# Altium PCB SmartHaloV1.PcbDoc (part 2 of 4) (continued)
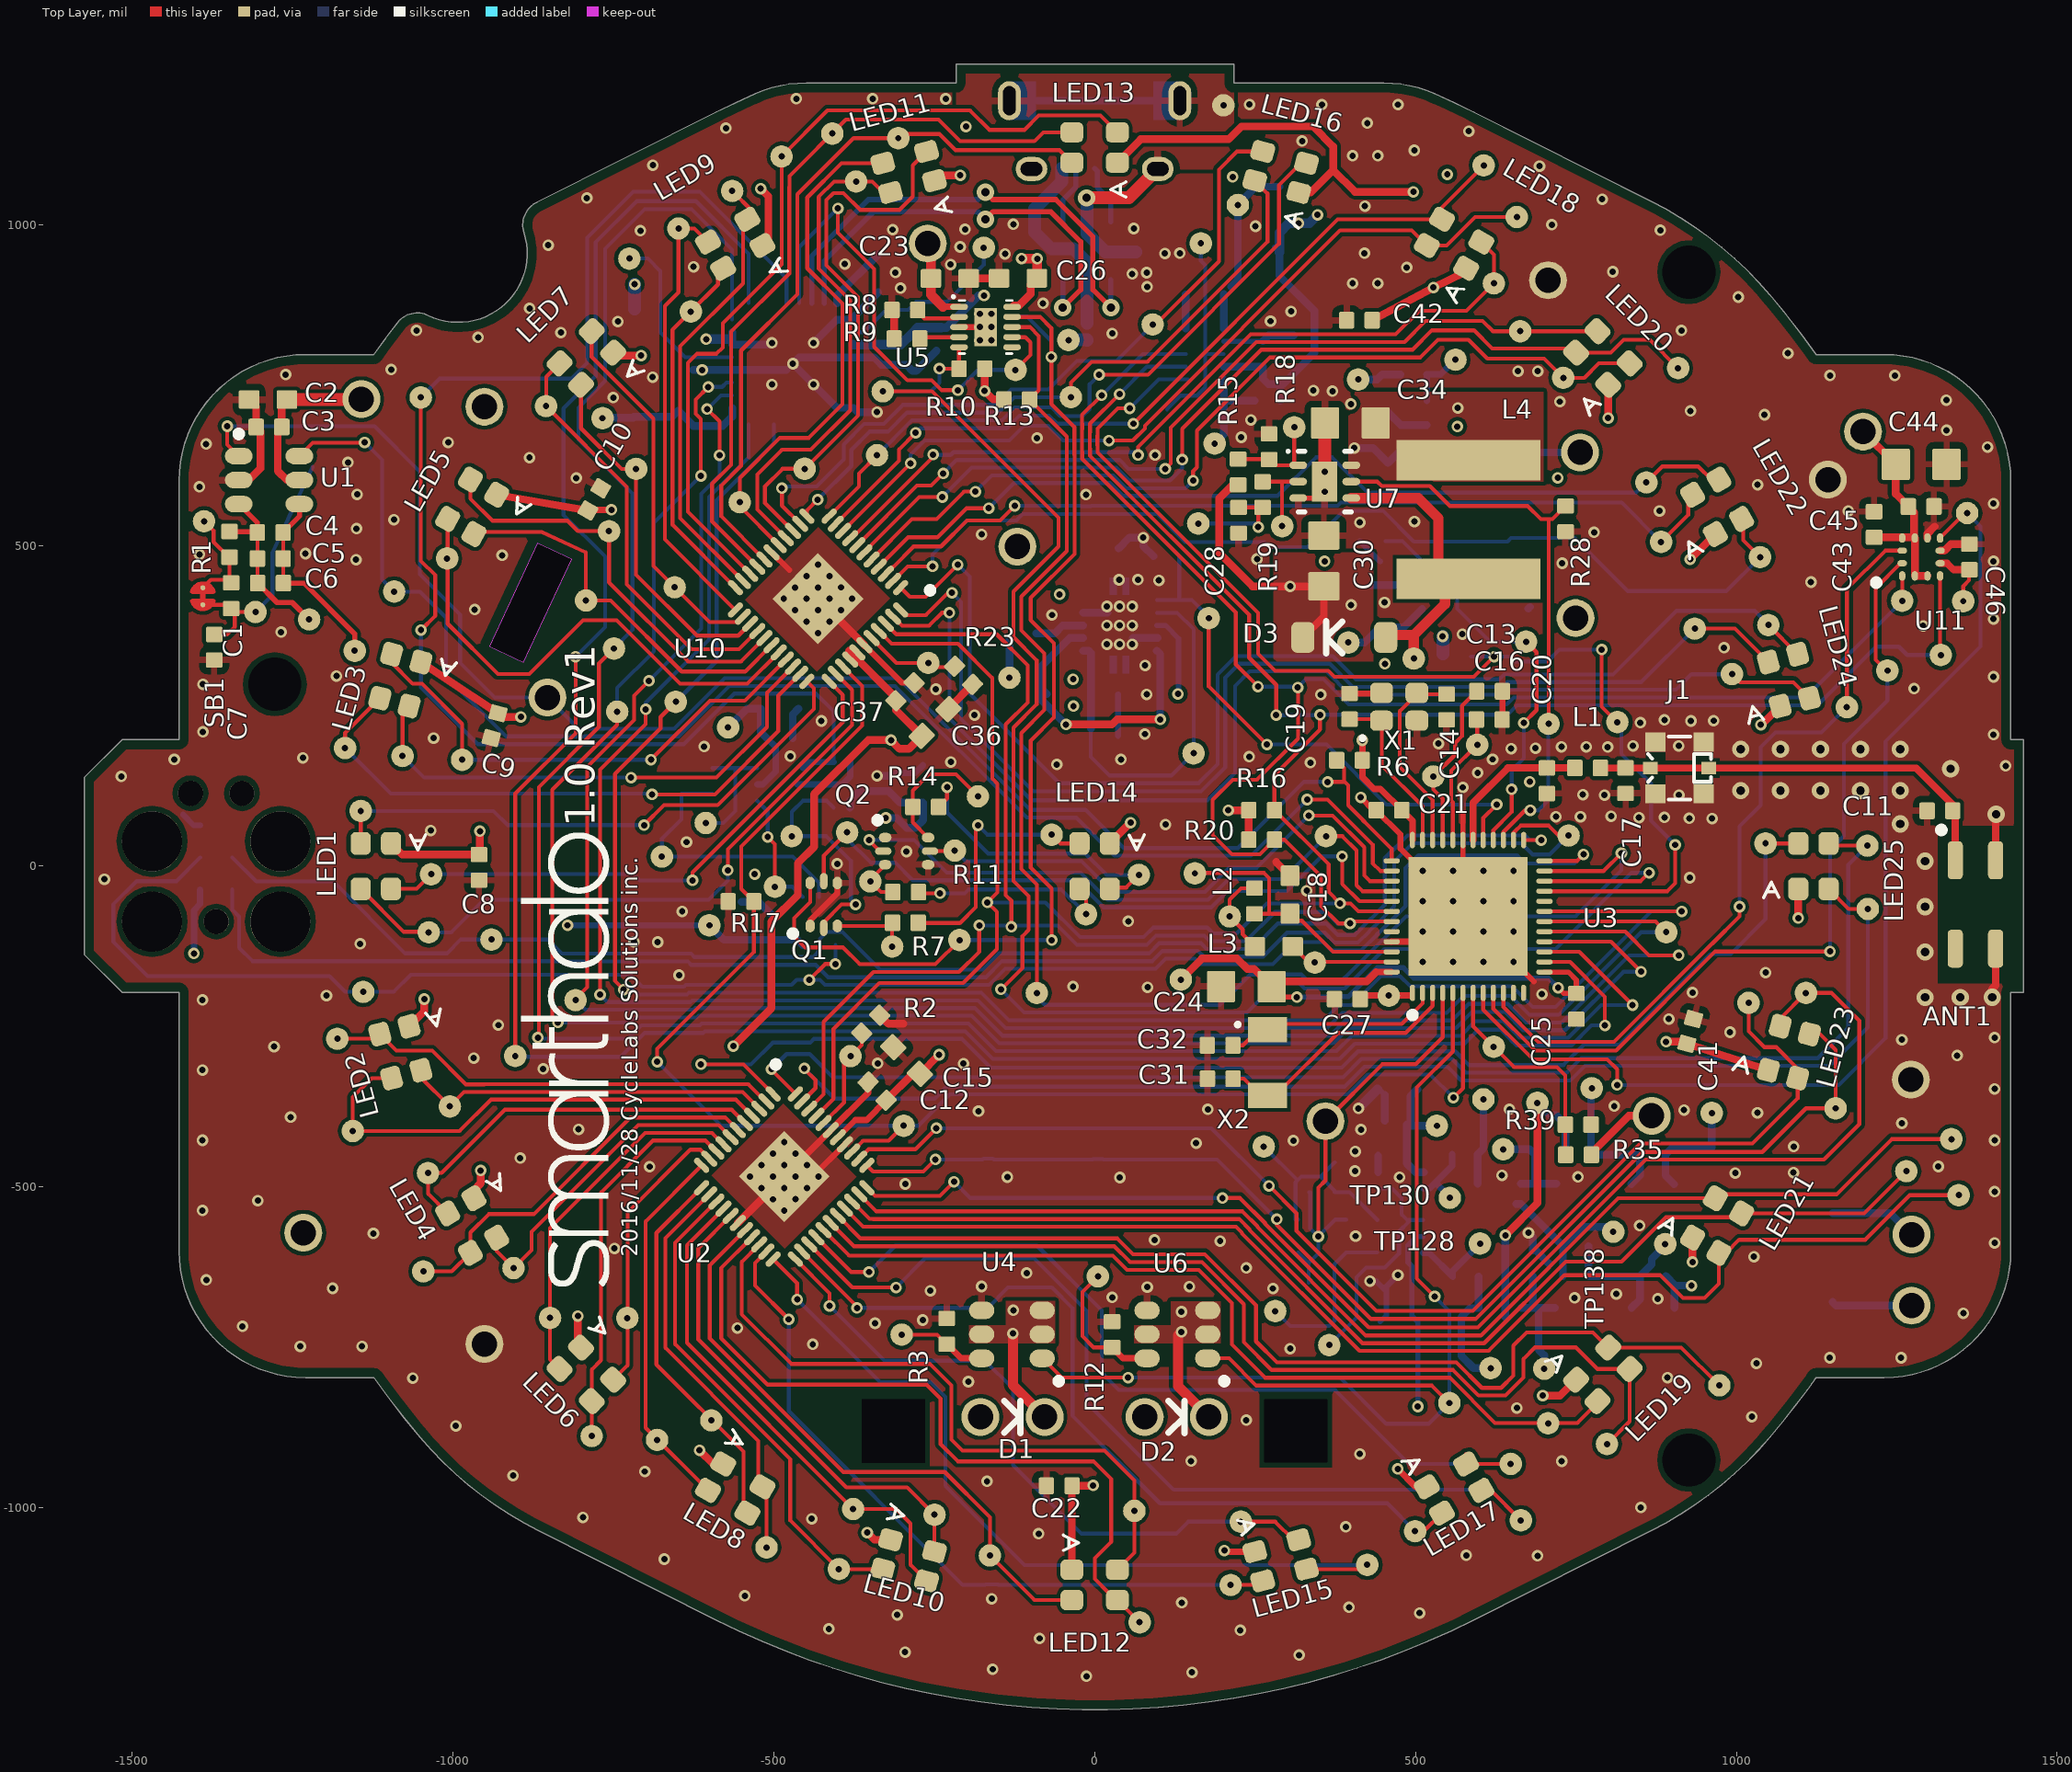
[diagram p0: Top Layer view]
## Nets (pads, with @x,y where several pads share a name; then routed paths per layer and width w, separated by ;. In a path a pad name is that pad's centre, name@x,y a point inside that pad or via, vN(x,y) a via of type N, cw(c..) or ccw(c..) an arc to the next point about the centre after c; other vN are vias at no path point) (continued)
EN_VLED: R31.2 TP160.1 U3.29 U15.6 | length 856.8
  Top Layer w6: TP160.1@177.8,386.5 177.8,280.2 v1(268.4,189.6) ; U3.29@605.52,40.69 605.52,75.02 v1(626.6,96.1)
  Bottom Layer w6: U15.6@96.97,414.57 151.73,414.57 TP160.1@178.8,387.5 ; 131.8,414.57 R31.2@131.8,482.8 ; v1(268.4,189.6) 361.3,189.6 454.8,96.1 v1(626.6,96.1)
FRONTLED: TP96.1 U3.5 U4.1 U6.1 | length 1779
  Top Layer w6: U4.1@-81.55,-766.9 -51.35,-797.1 v1(52.2,-797.1) ; U6.1@176.18,-767.05 209.45,-767.05 252,-809.6 525.7,-809.6 TP96.1@552.8,-836.7 ; v1(529.9,-670.6) 501.9,-642.6 501.9,-344.9 558.28,-288.52 U3.5@558.28,-197.49
  Bottom Layer w6: v1(52.2,-797.1) 382.4,-797.1 454.2,-868.9 520.6,-868.9 TP96.1@552.8,-836.7 552.8,-693.5 v1(529.9,-670.6)
GND: ANT1.3 ANT1.4 C2.2 C3.2 C7.2 C8.2 C9.2 C10.2 C11.1 C12.2 C13.2 C14.2 C15.2 C16.2 C17.1 C18.2 C19.2 C20.1 C21.2 C22.2 C23.2 C24.2 C25.2 C26.2 C27.2 C28.2 C29.2 C30.2 C31.1 C32.1 C33.2 C34.2 C35.2 C36.2 C37.2 C38.2 C39.2 C40.2 C41.2 C42.2 C43.2 C44.2 C45.2 C46.2 C47.2 C48.2 C49.2 C50.2 C51.2 C52.2 C53.2 C54.2 C55.2 C56.2 C57.2 C58.2 C59.2 C60.2 C61.2 C64.1 C65.2 C66.2 C67.2 C68.2 C69.2 C70.2 C71.2 J1.2 J4.0 J6.0 J7.5 NT6.2 Q1.1 Q1.4 Q2.1 Q2.4 Q7.4 Q8.4 R2.2 R3.1 R8.2 R9.2 R12.1 R17.1 R18.1 R23.2 R28.2 R29.1 R31.1 R33.1 R34.1 R37.2 R39.1 R42.2 R43.1 RSENSE1.1 RT1.1 TP2.1 TP5.1 TP6.1 TP9.1 U1.2 U2.17 U2.37 U2.39 U2.45 U3.31 U3.45 U3.49 U4.4 U5.3 U5.11 U6.4 U7.3 U7.7 U8.2 U8.3 U9.2 U10.17 U10.39 U10.45 U11.6 U11.8 U12.2 U13.2 U14.5 U14.7 U15.4 U15.9 U15.11 U16.4 U16.6 U16.7 U16.17 U16.20 U16.24 U16.33 U18.2 U19.2 U20.3 X1.2 X1.4 | length 4038.9
  Top Layer w8: C15.2@-324.81,-282.08 C15.2@-313.94,-282.08 ; v1(-178.86,840.2) U5.11@-170,840.2 ; U7.3@317.26,573.71 U7.7@341.2,573.71 ; U3.49@574.03,-70.53 U3.31@574.03,40.69 574.03,79.97
  Top Layer w9: U10.17@-503.48,489.08 -476,461.6 ; Q1.1@-443.28,-93.16 -443.28,-84.28 -400.92,-41.92 Q1.4@-400.92,-26.24 ; U2.45@-439.16,-483.7 U2.37@-389.05,-433.59 ; U10.39@-358.72,344.32 -300.25,285.85 C37.2@-281.45,285.85 ; U5.3@-211.34,840.2 v1(-178.86,840.2) ; C19.2@397.1,269.1 X1.4@445.99,269.1 ; v1(414.6,107.1) 434.5,87.2 C21.2@438.8,87.2 476.31,49.69 476.31,27.19 v1(511.03,-7.53) ; C16.2@635.4,228.9 C13.2@635.4,272.6 ; v1(652.77,-149.27) 653.97,-149.27 684.42,-179.72
  Top Layer w10: U2.45@-483.7,-483.7 U2.39@-411.32,-411.32 -353.1,-353.1 C12.2@-353.1,-336.55 C12.2@-353.1,-334.1 ; U3.45@462.81,-117.77 U3.49@542.53,-117.77
  Top Layer w12: U1.2@-1333.78,601.75 -1318.19,601.75 -1300.12,619.82 -1300.12,677.92 C3.2@-1306.7,684.5 -1306.7,716.2 C2.2@-1317.7,727.2 ; U2.17@-556.08,-556.08 U2.45@-483.7,-483.7 ; U10.45@-431.1,416.7 U10.39@-358.72,344.32 ; R2.2@-334.86,-232.1 -321.25,-245.7 -298.3,-245.7 ; R9.2@-312.4,822.1 R8.2@-312.4,863.4 ; C36.2@-227.66,245.68 R23.2@-190.01,283.32 ; C23.2@-203.9,923.6 C23.2@-196.2,915.9 -149.2,915.9 C26.2@-148.9,916.2 ; U5.11@-170,840.2 U5.11@-164.3,845.9 ; C28.2@224.3,519.2 C28.2@228.3,515.2 ; 282.92,6.48 C18.2@304.4,-15 ; U11.8@1297.83,511.43 1297.83,518.33 1309,529.5 ; U11.6@1317.51,491.74 1324.22,491.74 1334.47,502 C46.2@1363.1,502 ; v2(1398.7,-204.5) 1398.7,-191.4 1404.1,-186 ANT1.3@1404.1,-128.6 ; ANT1.4@1404.1,9.2 v2@1404.1,80.18
  Top Layer w20: U7.7@358.6,599.3 C34.2@358.6,690.3
  Bottom Layer w8: U14.7@201.1,817.82 C51.2@261.71,817.82 ; C29.2@440.9,-348 C29.2@443.8,-348 C29.2@452.01,-356.22 ; C40.2@444.8,-710 454.65,-700.15 C38.2@454.65,-662.75
  Bottom Layer w9: -1420.6,80.4 -1403.8,63.6 J7.5@-1393.9,63.6 ; C55.2@36.7,203.1 C53.2@36.7,267.9 ; R29.1@413.2,506.5 444.8,474.9 ; v1(429.1,-646.6) 438.5,-646.6 C38.2@454.65,-662.75 454.65,-655.15 v1(472.6,-637.2)
  Bottom Layer w10: U19.2@-463.6,127.4 U19.2@-454.9,127.4 -393.2,127.4 -381.13,139.47 U18.2@-381.13,162.2 ; C65.2@-313.83,140.8 C65.2@-309.53,145.1 -280.03,145.1 C66.2@-267.33,157.8
  Bottom Layer w12: -625.74,773.26 U16.4@-564.89,773.26 U16.33@-480.24,773.26 ; U16.7@-564.89,832.31 U16.6@-564.89,812.63 U16.33@-499.93,812.63 ; C70.2@-550.17,-55.8 -523.2,-55.8 C69.2@-505.4,-73.6 ; C67.2@-470.4,199.1 -470.4,236.6 C68.2@-461.5,245.5 ; v1(-437.92,815.58) -401.69,851.81 -375.91,851.81 U16.17@-375.91,852 -375.91,855.49 C57.2@-337.1,894.3 ; v1(-339,140.8) C65.2@-313.83,140.8 ; v1(-339,707.6) -369.31,707.6 U16.24@-375.91,714.2 -375.91,714.39 -401.69,714.39 v1(-437.92,750.62) v1(-470.4,783.1) -460.56,792.94 U16.20@-375.91,792.94 -343.84,792.94 C58.2@-332.3,781.4 -293.4,781.4 C56.2@-284,772 -277.8,772 -246.3,803.5 ; U15.4@-18.17,394.89 U15.11@20.22,394.89 ; C54.2@37.4,495.2 54.2,512 v1(75.8,512) 75.8,498.8 R31.1@91.8,482.8 ; U15.11@59.59,355.52 U15.9@97.97,355.52 ; U14.5@142.04,837.5 RSENSE1.1@142.04,891.36 ; C51.2@262.4,818.5 270.9,827 C50.2@310.4,827 ; C48.2@430.6,437.3 431.62,438.32 U12.2@510.56,438.32 ; U8.2@441.81,-476.87 U8.3@441.81,-451.37 ; C33.2@452.01,-396.81 C29.2@452.01,-356.22 ; C52.2@457.18,707.34 476.9,687.62 U13.2@517.65,687.62 ; v1(676.04,-571.4) 682.8,-578.16 R42.2@682.8,-599.1 ; R42.2@685.5,-596.6 708.6,-619.7
  Bottom Layer w15: v1(-605.4,821.4) -566.49,821.4 ; v1(411.2,-377.7) C29.2@440.9,-348
  other v1: -12.7,-1262.6 151.8,-1256.5 -158.9,-1251.6 318.7,-1229.7 -295.3,-1224.8 -85.7,-1203.6 226.9,-1190.9 -414.2,-1188.7 -307.7,-1166.9 506.3,-1163.9 396.3,-1155 135.8,-1147.9 -160.4,-1141.9 -545.1,-1137.1 -670.5,-1080 690.2,-1074.9 579.2,-1074 -87.2,-1040.5 391.5,-1029.6 -440.9,-1017.1 -797.4,-1014.9 851,-999.4 -167.7,-958.8 -906.2,-949.9 -701,-943.5 150.3,-927.3 727.8,-927.4 413.2,-916.1 -995.6,-872.4 236.4,-863.3 1024,-858.1 658,-844.4 -196.7,-803.4 -1062.4,-798 892.8,-797 1031.4,-774.8 1145.6,-766.1 1256.7,-766.1 304.6,-752.1 -1237.9,-748.4 -1141.7,-748.4 -439.3,-745.3 -556.7,-719.8 -1328,-717.2 -342.2,-712.4 -268,-707.4 1353.7,-696.7 877.6,-674.1 747.8,-672.7 27.5,-672.1 812.9,-666.8 -255.9,-661.7 -1187.5,-657.9 277.8,-658.3 82,-656.1 -176.1,-655.1 147.8,-655.3 -1384.3,-644.7 -105.9,-634 236.2,-626.1 1027.3,-608.7 -748.2,-595.9 1402.6,-587.2 195.6,-584.4 93.2,-582.5 406.6,-576.6 -1124,-572.6 849.4,-560.2 -1390.5,-536.65 -483.7,-537.04 -1303.9,-521.4 -501.48,-519.26 -465.91,-519.25 1402.6,-507.2 -448.15,-501.49 -519.26,-501.48 -483.7,-501.46 -295.1,-495.3 -136.1,-484.5 39.2,-485.2 475.2,-484.7 -537.04,-483.7 -501.46,-483.7 -465.94,-483.7 -430.36,-483.7 753.4,-484.4 634.8,-481.9 998.4,-478.4 1088.9,-477.6 405.7,-475.2 -693.6,-468.4 1314.8,-468 -519.25,-465.91 -483.7,-465.94 -448.15,-465.91 -895.3,-454.9 -501.49,-448.15 -465.91,-448.15 406.2,-444.5 1089.2,-437.1 158.1,-431.7 -483.7,-430.36 309.6,-427.8 -1390.5,-427.2 1402.6,-427.2 414.9,-410.6 -804.3,-410.1 1257.9,-400.63 -1253,-391.1 1032.9,-384.3 -181,-381.9 918.6,-380 176.5,-379 646.6,-378.9 809.7,-374.1 1402.6,-347.2 -1390.5,-317.75 -859.4,-315.8 -204.3,-307.7 -338.1,-307.3 -967.6,-299.1 1344.2,-295 -1278.8,-281.2 1257.9,-270.4 1402.6,-267.2 990.1,-258.8 -929.4,-247.7 894.8,-238.3 -1390.5,-208.3 -1197.1,-201.8 697.1,-199.4 931.7,-196.9 82.6,-188.9 -33.7,-187.6 -647.5,-169.9 1045.6,-165.8 511.03,-149.27 558.28,-149.27 605.52,-149.27 -1144.6,-121 -717.8,-117.9 -680.9,-118.3 511.03,-102.02 558.28,-102.02 605.52,-102.02 652.77,-102.02 52.5,-86 -642.8,-70.5 511.03,-54.78 558.28,-54.78 605.52,-54.78 652.77,-54.78 330.5,-38.2 -1543.2,-20.4 927.4,-18 -529.7,-12.5 558.28,-7.53 605.52,-7.53 652.77,-7.53 -401,3.7 -293.3,22.8 -636,37.5 -1034.5,55.7 110.4,64.8 962.2,74.1 926.72,74.6 848.22,75.8 888.1,75.9 719,77.1 757.02,77 805,77.9 760.7,111.5 794.6,110.8 910.7,110.8 573.9,122.8 678.1,131.6 -1517,139.7 596.9,145.6 1419.6,156.2 -58.8,158.5 336.2,161.2 -224,162.5 -1434.3,166.4 40.9,166.3 620.2,166.5 -1233.8,168.7 -474.3,171.2 240.8,170.6 648.9,183.1 687,183.8 -608.6,186.3 727.5,185.9 766.1,186 799.6,185.6 838.8,187.4 910.2,187.4 535.8,190.9 -1030.1,199.6 1400.8,205.1 78.3,205.9 -1389.5,209.2 850.3,223.8 -425.8,226.3 929.1,226.3 964.6,226.7 888.1,228.1 -187.3,235.5 352.3,267.3 81.1,267.6 -247.4,275.8 1277,276.6 -1389.5,283.4 1400.8,295.12 -1181.6,296.5 78.5,312.7 452.4,315.3 980.9,340.5 19.22,345.67 38.9,345.67 58.59,345.67 573.1,361.6 -431.1,363.36 -1267.7,364.7 1291.1,374.4 19.22,375.2 38.9,375.2 58.59,375.2 -448.89,381.15 -413.31,381.15 1400.8,385.14 -66.5,391.5 -466.65,398.91 -431.1,398.94 -395.55,398.91 -966,400 19.22,404.73 38.9,404.73 58.59,404.73 451.8,410.9 -484.44,416.7 -448.86,416.7 -413.34,416.7 -377.76,416.7 -466.66,434.48 -431.1,434.46 -395.55,434.49 1116.1,442.7 100.1,445.3 38,446.3 67.6,446.5 -448.88,452.26 -413.31,452.25 -431.1,470.04 728.7,472.1 358.4,475.1 1400.8,475.16 -1151.1,477.6 253,478.6 -923.3,484.5 -1395,485.9 -1229.82,487.14 -176.1,517.2 778.3,520.4 -1150.4,526 413.4,535.6 498.4,537.1 -1092,540.1 880.3,553.7 1174.7,553.7 1400.8,565.18 -1149.2,579.5 -13.4,579.1 358.6,583.55 -1395,591.2 1033.1,594.5 -807.9,604.9 358.6,615.05 -1163.6,629.15 -880.7,636.8 94.2,640.8 1391.4,653.2 -1384.5,658 -1007.4,660.5 -89.9,667.1 228.5,668.5 1327.7,679.4 565.2,685.1 243.5,695.6 1044,703.6 928.5,709.6 399.4,720.2 724.9,724 1327.3,726.2 -750,730.2 370.7,740.2 340.8,741.3 -502.88,750.62 -688.7,762.2 1145.9,764.6 1247.1,764.6 -1260.6,766.1 659.9,771.5 690.6,771.5 -611.6,773.3 -1096.2,773.9 1080.3,799.5 -502.88,815.58 -178.86,819.53 -161.14,819.53 -960.7,824.2 27.3,830.2 -831.8,831.8 -1056.7,835 914.5,835 -161.14,840.2 -743.1,848.9 274.1,849.4 -178.86,860.87 -161.14,860.87 306.2,864.6 -880.6,869.4 -80.5,877.2 1003,887 -302.7,900.7 81.9,902.9 401.97,908.46 441.34,908.46 58.6,922.9 -310.6,925.3 81.1,925 807.4,926.4 486.5,933 -625.1,934 -389.2,938.4 -224.6,937.8 -139.69,954.3 109.4,955 132.8,955.3 420.4,955.2 -209.6,965.1 -851.4,967.7 -707.9,990.3 881.4,991 -314.7,992 -201.8,992.6 61.2,993.8 250.5,997.4 -126.7,1000.4 712.4,999.8 421.3,1028.7 791,1039.6 -791.4,1041.3 215,1074.3 693.3,1091.1 -688.4,1092.5 401.97,1107.28 441.34,1107.28 498.2,1115.6 323.2,1130.1 583.1,1145.5 -574.7,1150.2 -200.5,1152.7 424.9,1158.1 241.2,1187 354.1,1186.9 472.9,1186.9 -464.8,1196 -346,1196 -231.9,1195.9
  other v2: 1294.17,-204.6 1349.04,-204.6 1294.17,-133.79 1294.17,-62.97 1294.17,7.84 1255.42,66 1404.72,80.8 1006.72,117.8 1068.9,117.8 1131.07,117.8 1193.25,117.8 1255.42,117.8 1333.86,151.67 1006.72,182.3 1068.9,182.3 1131.07,182.3 1193.25,182.3 1255.42,182.3
INT_1_XL: TP64.1 U3.9 U11.12 | length 1309.2
  Top Layer w6: U3.9@621.27,-197.49 621.27,-222.17 686.6,-287.5 812.6,-287.5 967.2,-132.9 v1(1146,-132.9) ; TP64.1@1234.65,304.05 1217,321.7 1217,433.07 1255.99,472.06 U11.12@1258.46,472.06
  Bottom Layer w6: v1(1146,-132.9) 1146,25.2 1167.6,46.8 1167.6,190.3 1235.4,258.1 TP64.1@1235.4,304.8
INT_2_XL: TP65.1 U3.10 U11.11 | length 1226
  Top Layer w6: U3.10@637.02,-197.49 637.02,-219.44 691.28,-273.7 809.43,-273.7 962.23,-120.9 962.4,-120.9 1005,-78.3 v1(1005,-63.2) ; TP65.1@1172.2,247.8 1172.2,431.9 1232.04,491.74 U11.11@1258.46,491.74
  Bottom Layer w6: v1(1005,-63.2) 1005,62 1037.9,94.9 1037.9,185.5 1060.7,208.3 1132.7,208.3 TP65.1@1172.2,247.8
INT_MAG: TP75.1 U3.8 U11.7 | length 1692.7
  Top Layer w6: U3.8@605.52,-197.49 605.52,-223.42 683,-300.9 798.6,-300.9 814.2,-316.5 v1(814.2,-341) ; U11.7@1317.51,511.43 1356.38,550.3 TP75.1@1359.7,550.3
  Bottom Layer w6: v1(814.2,-341) 1159.5,-341 1232.4,-268.1 1232.4,194.1 1380.5,342.2 1380.5,529.5 TP75.1@1359.7,550.3
ISET: R8.1 U5.2 | length 71.6
  Top Layer w6: R8.1@-277.25,865.35 -265.63,853.73 -213.56,853.73 U5.2@-211.34,855.95
NetC1_2: C1.2 R1.2 SB1.1 TP141.1 | length 154.8
  Top Layer w6: SB1.1@-1389.8,433.9 -1377.3,446.4 -1348.2,446.4 R1.2@-1348.2,481.5 -1349.1,481.5 -1373.1,505.5 -1373.1,522.8 TP141.1@-1387.8,537.5
NetC20_2: C20.2 L1.1 U3.30 | length 239.2
  Top Layer w11.21: U3.30@589.77,40.69 589.77,98.87 644,153.1 L1.1@748.3,153.1
NetC28_1: C28.1 R19.2 TP166.1 | length 164.4
  Top Layer w6: C28.1@224.3,559.2 R19.2@261.6,559.2 ; v1(255,528.6) R19.2@255,558.7 ; R19.2@261.7,559.1 R19.2@263,559.1
  Bottom Layer w6: TP166.1@161.5,534 249.6,534 v1(255,528.6)
NetC35_1: C35.1 D4.3 R24.1 TP126.1 U9.3 | length 326.2
  Bottom Layer w6: TP126.1@263.5,-436.9 316.22,-489.62 ; D4.3@317.11,-550.85 313.1,-550.85 313.1,-492.75 316.22,-489.62 ; C35.1@374,-461.8 352,-483.8 ; R24.1@374.1,-508 397.12,-508 U9.3@440.65,-551.52 ; R24.1@374.1,-505.9 352,-483.8 ; 316.22,-489.62 322.04,-483.8 352,-483.8
NetC39_1: C39.1 D4.5 R27.1 TP127.1 U9.1 | length 267.4
  Bottom Layer w6: TP127.1@281.4,-693.5 304.7,-716.8 365.5,-716.8 374.1,-708.2 C39.1@374.1,-690 ; C39.1@373.62,-689.53 R27.1@373.62,-649.26 373.62,-620.32 D4.5@391.91,-602.04 U9.1@440.16,-602.04
NetC46_1: C46.1 TP76.1 U11.5 | length 102.7
  Top Layer w6: TP76.1@1353.6,413 1353.6,436.3 1362.7,445.4 1362.7,461.6 C46.1@1363.1,462
  Top Layer w11: U11.5@1317.51,472.06 1328.74,472.06 1338.8,462 C46.1@1363.1,462
NetC61_1: C61.1 R38.2 TP169.1 U14.10 | length 152
  Bottom Layer w12: TP169.1@187,658.6 201.1,672.7 C61.1@201.1,710.5 U14.10@201.1,758.76 ; 203.7,725.5 R38.2@249.7,725.5
NetC62_1: C62.1 Q5.1 Q5.2 Q5.5 Q5.6 R22.1 TP138.1 | length 241.6
  Bottom Layer w12: 656.8,-526.7 664.5,-526.7 C62.1@729.8,-592 ; R22.1@729.8,-639.1 C62.1@729.8,-592 ; TP138.1@808.2,-569.8 800.8,-562.4 758.1,-562.4 729.8,-590.7 C62.1@729.8,-592
NetC62_2: C62.2 Q3.3 R5.1 R22.2 TP134.1 | length 248.6
  Bottom Layer w6: R22.2@769.8,-639.1 R22.2@770,-639.3
  Bottom Layer w12: R22.2@769.8,-639.1 C62.2@769.8,-592 ; R22.2@770,-639.3 R5.1@850,-639.3 ; Q3.3@836.54,-688.41 850,-674.95 R5.1@850,-639.3 ; TP134.1@889.1,-589 889.1,-591.3 868.1,-612.3 868.1,-620.71 850,-638.81 R5.1@850,-639.3
NetC63_1: C63.1 Q6.1 Q6.2 Q6.5 Q6.6 R25.1 TP132.1 | length 459.5
  Top Layer w12: v1(640,-575.2) 690.3,-524.9 TP132.1@690.3,-368.9
  Bottom Layer w12: 640,-703.1 v1(640,-575.2) ; TP132.1@689.9,-368.9 709.05,-388.05 718.75,-388.05 C63.1@733.6,-402.9 R25.1@733.6,-449.6
NetC63_2: C63.2 Q4.3 R21.1 R25.2 TP135.1 | length 231.6
  Bottom Layer w12: C63.2@773.5,-403 R25.2@773.5,-449.7 R21.1@849.6,-449.7 849.6,-482.25 Q4.3@836.14,-495.72 ; C63.2@773.6,-402.9 773.6,-347.2 TP135.1@774.7,-346.1
NetC64_2: C64.2 R26.1 TP154.1 U20.2 | length 442.6
  Bottom Layer w6: R26.1@-595.7,112.7 C64.2@-644,112.7 -644,73.11 -674.4,42.71 TP154.1@-674.4,14.9 -470.5,14.9 -429.47,-26.13 U20.2@-429.47,-48.1
NetD1_2: D1.2 U4.2 U4.3 U4.5 | length 150.7
  Top Layer w16: v1(-127.4,-728.2) -127.4,-808.94 D1.2@-77.95,-858.39
  other v1: -126.6,-692.1
NetD2_2: D2.2 U6.2 U6.3 U6.5 | length 147.1
  Top Layer w16: v1@129.9,-731.2 129.9,-810.33 D2.2@177.95,-858.39
  other v1: 135.2,-725.9 135.2,-694.5
NetD3_2: D3.2 L4.2 TP172.1 U7.4 | length 476.2
  Top Layer w16: U7.4@399.94,573.61 504.39,573.61 535.8,542.2 L4.2@535.8,457.1 ; D3.2@453.5,357.2 456.6,360.3 497.9,360.3 545.9,408.3 545.9,448.88 L4.2@530.32,448.88 ; TP172.1@497.3,323.6 497.3,359.7 ; L4.2@498.8,457.2 507.12,448.88 L4.2@530.32,448.88 ; L4.2@531.32,447.88 L4.2@530.32,448.88
NetJ4_1: J4.1 RSENSE1.2 TP173.1 U14.6 | length 262
  Bottom Layer w12: U14.6@201.1,837.5 RSENSE1.2@201.1,891.5 ; RSENSE1.2@213,903.4 223.2,913.6 223.2,1030.9 251.36,1059.06 J4.1@287.8,1059.06
NetL2_2: L2.2 L3.1 TP159.1 | length 135.5
  Top Layer w6: L2.2@249.1,-34.3 228.2,-34.3 210.4,-52.1 TP159.1@210.4,-78.4 230.7,-98.7 230.7,-106.2 L3.1@249.7,-125.2
NetL3_2: L3.2 TP168.1 U3.47 | length 164.1
  Top Layer w6: L3.2@308.7,-125.2 332.77,-149.27 343,-149.27 U3.47@462.81,-149.27
NetL5_2: L5.2 TP174.1 U15.3 | length 138.7
  Bottom Layer w12: TP174.1@-132.8,293.7 L5.2@-132.8,354.59 ; L5.2@-90.83,362.77 -62.33,362.77 -49.9,375.2 U15.3@-18.17,375.2
NetQ1_3: Q1.3 R7.1 TP112.1 | length 117.6
  Top Layer w6: Q1.3@-400.92,-93.16 R7.1@-319.97,-93.16 ; TP112.1@-315.6,-125.4 R7.1@-315.6,-88.8
NetQ2_3: Q2.3 R11.1 TP113.1 | length 77.3
  Top Layer w6: Q2.3@-326.46,2.22 -349.5,-20.82 TP113.1@-349.5,-23.8 -332.9,-40.4 R11.1@-314.6,-40.4
NetQ2_6: Q2.6 R14.1 TP110.1 | length 209.2
  Top Layer w6: Q2.6@-259.54,44.58 -283.3,68.35 R14.1@-283.3,92.2 -283.3,117.8 -258.1,143 -216,143 TP110.1@-181.8,108.8
NetQ5_3: Q5.3 R40.1 TP137.1 | length 135.1
  Bottom Layer w12: Q5.3@597.04,-494.91 R40.1@597,-448.9 605.8,-440.1 TP137.1@605.8,-363.4
NetQ5_4: Q5.4 Q8.3 R43.2 TP136.1 | length 152.6
  Bottom Layer w12: TP136.1@636.7,-441.2 677.8,-441.2 R43.2@686.2,-449.6 686.2,-493.82 ; Q5.4@663.96,-494.91 Q8.3@719.34,-494.91
NetQ6_3: Q6.3 R41.1 TP131.1 | length 195.3
  Bottom Layer w12: Q6.3@597.94,-688.72 585.18,-688.72 571.4,-702.5 571.4,-763.3 590.4,-782.3 TP131.1@617,-782.3 ; Q6.3@598.2,-688.45 R41.1@598.2,-639.7
NetQ6_4: Q6.4 Q7.3 R42.1 TP133.1 | length 199.2
  Bottom Layer w12: Q6.4@665.06,-688.51 691.9,-688.51 ; 682.8,-687.82 R42.1@682.8,-639.1 ; TP133.1@700.6,-783.3 700.6,-762.3 691.9,-753.6 691.9,-688.51 ; Q7.3@717.14,-688.51 691.9,-688.51
NetR2_1: R2.1 TP157.1 U2.40 | length 164.4
  Top Layer w6: U2.40@-422.45,-400.18 -390.6,-368.33 -390.6,-306.3 TP157.1@-380.4,-296.1 -363.14,-278.84 R2.1@-363.14,-260.38
NetR3_2: R3.2 TP97.1 U4.6 | length 139.8
  Top Layer w6: TP97.1@-300.7,-730.1 -245.39,-730.1 R3.2@-230.61,-744.88
  Top Layer w10: R3.2@-230.61,-744.88 -208.45,-767.05 U4.6@-176.18,-767.05
NetR4_1: R4.1 TP175.1 U13.3 | length 95.6
  Bottom Layer w10: R4.1@516.9,766.5 539.4,766.5 TP175.1@562.3,789.4 ; U13.3@517.65,725.02 R4.1@517.65,765.75
NetR12_2: R12.2 TP98.1 U6.6 | length 218.5
  Top Layer w6: TP98.1@5.1,-639.3 -19.2,-663.6 -19.2,-732.5 -1.64,-750.06 R12.2@27.24,-750.06
  Top Layer w10: R12.2@27.24,-750.06 44.23,-767.05 U6.6@81.69,-767.05
NetR15_1: R15.1 R18.2 TP179.1 U7.1 | length 157
  Top Layer w6: R15.1@223.6,634.3 261.6,634.3 271.01,624.89 U7.1@317.26,624.89 ; U7.1@311,624.7 TP179.1@311,684.1
NetR19_1: R19.1 TP170.1 U7.2 | length 125.1
  Top Layer w6: R19.1@261.6,602.3 R19.1@261.7,602.3 ; R19.1@261.7,599.3 U7.2@317.26,599.3 ; TP170.1@292.2,529.9 292.2,599.3
NetR23_1: R23.1 TP156.1 U10.40 | length 148
  Top Layer w6: U10.40@-347.58,355.45 -308.83,316.7 TP156.1@-259.3,316.7 -252.8,310.2 R23.1@-218.3,310.2
NetR26_2: R26.2 TP153.1 U19.6 | length 190
  Bottom Layer w6: TP153.1@-606,67.3 -578.9,67.3 -560.2,86 -560.2,152.9 ; R26.2@-595.5,152.9 -560.2,152.9 ; U19.6@-525.9,152.9 -560.2,152.9
NetR34_2: R34.2 TP177.1 U14.8 | length 330.2
  Bottom Layer w6: R34.2@113,711.9 134.5,733.4 159.7,733.4 172.5,746.2 172.5,936.8 165.5,943.8 TP177.1@165.5,970.7 ; 172.5,796.9 173.73,798.13 U14.8@201.1,798.13
NetTP129_1: TP129.1 U8.1 U9.4 | length 369.4
  Bottom Layer w6: TP129.1@365.6,-746.3 408.1,-703.8 408.1,-640.8 423.1,-625.8 452.2,-625.8 474.3,-603.7 474.3,-569.4 489.7,-554 478.5,-542.8 478.5,-517.2 463.66,-502.37 U8.1@441.81,-502.37 ; 487.22,-551.52 U9.4@511.65,-551.52
NetTP155_1: TP155.1 U19.4 U20.1 | length 195.2
  Top Layer w6: v1(-509.5,45.5) -498.2,34.2 TP155.1@-498.2,-32.1
  Bottom Layer w6: U19.4@-525.9,101.9 -509.5,85.5 v1(-509.5,45.5) ; TP155.1@-498.2,-32.1 -471.06,-32.1 U20.1@-455.06,-48.1
OUT1: LED25.2 TP56.1 U2.43 | length 2066.4
  Top Layer w6: U2.43@-455.86,-366.78 -435,-345.92 -435,-333.32 -452.3,-316.02 v1(-452.3,-315.3) ; LED25.2@1143.7,-35.43 1175.03,-66.7 TP56.1@1204.9,-66.7
  Bottom Layer w6: v1(-452.3,-315.3) -405.3,-362.3 -249.29,-362.3 -230.69,-343.7 389.34,-343.7 420.54,-312.5 549.67,-312.5 571.07,-333.9 741.3,-333.9 764,-311.2 1145,-311.2 1204.9,-251.3 TP56.1@1204.9,-66.7
OUT2: LED25.3 TP57.1 U2.44 | length 2159.8
  Top Layer w6: v1(-503.6,-316.3) -503.6,-317.65 U2.44@-466.3,-354.95 ; LED25.3@1147.13,32 TP57.1@1204.2,32
  Bottom Layer w6: v1(-503.6,-316.3) -480.1,-292.8 -444.2,-292.8 -408,-329 387.07,-329 415.57,-300.5 556.8,-300.5 578.2,-321.9 735.77,-321.9 758.47,-299.2 1127.1,-299.2 1174.4,-251.9 1174.4,2.2 TP57.1@1204.2,32
OUT3: LED25.4 TP58.1 U2.1 | length 2108.4
  Top Layer w6: v1(-613.7,-308.8) -547.24,-308.8 U2.1@-501.1,-354.95 ; TP58.1@1045.47,35.43 LED25.4@1096.46,35.43
  Bottom Layer w6: v1(-613.7,-308.8) -535.5,-308.8 -501.7,-275 -443.21,-275 -437.41,-269.2 -206.6,-269.2 -161.9,-313.9 385.2,-313.9 410.6,-288.5 561.77,-288.5 583.17,-309.9 730.8,-309.9 762.4,-278.3 818,-278.3 959.4,-136.9 991.23,-136.9 1045.47,-82.67 TP58.1@1045.47,35.43
OUT4: LED2.2 TP23.1 U2.2 | length 705.2
  Top Layer w6: TP23.1@-1180.2,-269 LED2.2@-1121.11,-269 ; LED2.2@-1113.92,-261.81 -1088.13,-287.6 -1032.3,-287.6 -979.8,-340.1 -950.94,-340.1 -950.64,-339.8 -539.7,-339.8 -512.72,-366.78 U2.2@-511.54,-366.78
OUT5: LED2.4 TP25.1 U2.3 | length 577.4
  Top Layer w6: LED2.4@-1049.94,-318.03 -1049.94,-329.36 TP25.1@-1004.9,-374.4 -982.6,-352.1 -945.97,-352.1 -945.67,-351.8 -548.79,-351.8 U2.3@-522.67,-377.91
OUT6: LED2.3 TP24.1 U2.4 | length 778.8
  Top Layer w6: LED2.3@-1095.58,-330.26 -1126.56,-330.26 -1156.1,-359.8 TP24.1@-1156.1,-412.8 -989.7,-412.8 -940.7,-363.8 -559.06,-363.8 U2.4@-533.81,-389.05
OUT7: LED4.2 TP26.1 U2.5 | length 618.9
  Top Layer w6: LED4.2@-1008.21,-541.16 -1038.8,-510.58 TP26.1@-1038.8,-478.2 -1017.6,-478.2 -919,-379.6 -565.53,-379.6 U2.5@-544.95,-400.18
OUT8: LED4.3 TP27.1 U2.6 | length 616.1
  Top Layer w6: TP27.1@-1046.1,-631.5 -1001.74,-631.5 LED4.3@-972.78,-602.54 -972.78,-570.88 -944.2,-542.3 -873.8,-542.3 -723.1,-391.6 -575.8,-391.6 U2.6@-556.08,-411.32
OUT9: LED4.4 TP28.1 U2.7 | length 513.6
  Top Layer w6: LED4.4@-931.87,-578.91 -931.87,-600.03 TP28.1@-905.5,-626.4 -877.5,-598.4 -877.5,-569.7 -711.4,-403.6 -586.07,-403.6 U2.7@-567.22,-422.45
OUT10: LED6.2 TP29.1 U2.8 | length 565.2
  Top Layer w6: LED6.2@-833.81,-783.66 -848.7,-768.76 -848.7,-563.9 -700.4,-415.6 -596.34,-415.6 U2.8@-578.35,-433.59
OUT11: LED6.3 TP30.1 U2.9 | length 605.9
  Top Layer w6: TP30.1@-783.7,-888.1 LED6.3@-783.7,-833.77 -783.7,-784.5 -769.3,-770.1 -769.3,-508.6 -688.3,-427.6 -606.61,-427.6 U2.9@-589.49,-444.73
OUT12: LED6.4 TP31.1 U2.10 | length 443.4
  Top Layer w6: LED6.4@-750.29,-800.36 -727.8,-777.87 -727.8,-539.7 -630,-441.9 -614.58,-441.9 U2.10@-600.62,-455.86
OUT13: LED8.2 TP32.1 U2.11 | length 583
  Top Layer w6: U2.11@-612.45,-466.3 -699.9,-553.75 -699.9,-875.42 LED8.2@-602.54,-972.78
OUT14: LED8.3 TP33.1 U2.12 | length 595.1
  Top Layer w6: U2.12@-612.45,-501.1 -683,-571.64 -683,-776.6 -547.24,-912.36 -547.24,-1002.14 LED8.3@-541.16,-1008.21
OUT15: LED8.4 TP34.1 U2.13 | length 644
  Top Layer w6: U2.13@-600.62,-511.54 -669.1,-580.02 -669.1,-750.6 -524,-895.7 -524,-960.84 LED8.4@-517.54,-967.3 -511.3,-973.54 TP34.1@-511.3,-1061.8
OUT16: LED10.2 TP35.1 U2.14 | length 773.6
  Top Layer w6: U2.14@-589.49,-522.67 -653.8,-586.99 -653.8,-744.9 -474.28,-924.42 -474.28,-1019.92 TP35.1@-398.62,-1095.58 LED10.2@-330.26,-1095.58
OUT17: LED10.3 TP36.1 U2.15 | length 797.7
  Top Layer w6: U2.15@-578.35,-533.81 -635.4,-590.86 -635.4,-742.9 TP36.1@-376.4,-1001.9 -309.4,-1001.9 -286.9,-1024.4 -286.9,-1088.83 LED10.3@-261.81,-1113.92
OUT18: LED10.4 TP37.1 U2.16 | length 752.2
  Top Layer w6: U2.16@-567.22,-544.95 -617.7,-595.43 -617.7,-737.4 -387,-968.1 -292.3,-968.1 TP37.1@-249.58,-1010.82 LED10.4@-249.58,-1068.28
OUT19: LED12.2 TP38.1 U2.18 | length 959.8
  Top Layer w6: U2.18@-544.95,-567.22 -599.8,-622.07 -599.8,-736.2 -391.8,-944.2 -233.7,-944.2 -163.2,-1014.7 TP38.1@-163.2,-1074.3 -93.8,-1143.7 LED12.2@-35.43,-1143.7
OUT20: LED12.3 TP39.1 U2.19 | length 1188.7
  Top Layer w6: U2.19@-533.81,-578.35 -582,-626.54 -582,-735.7 -509.6,-808.1 -261.8,-808.1 -240.1,-829.8 -240.1,-900.8 -213.3,-927.6 -1.7,-927.6 25.9,-955.2 25.9,-1053 0.2,-1078.7 0.2,-1110.8 21.4,-1132 21.4,-1143.7 LED12.3@35.43,-1143.7 TP39.1@70.1,-1178.37
OUT21: LED12.4 TP40.1 U2.20 | length 1039
  Top Layer w6: U2.20@-522.67,-589.49 -550,-616.81 -550,-698.5 -472.8,-775.7 -256.7,-775.7 -223.3,-809.1 -223.3,-893.9 -206.1,-911.1 15.4,-911.1 61.9,-957.6 61.9,-1069.99 LED12.4@35.43,-1096.46
OUT22: LED15.2 TP41.1 U2.21 | length 1132.1
  Top Layer w6: U2.21@-511.54,-600.62 -529.4,-618.48 -529.4,-653.5 v1(-476.6,-706.3) ; TP41.1@211.9,-1120.3 255.39,-1120.3 LED15.2@261.77,-1113.92
  Bottom Layer w6: v1(-476.6,-706.3) -476.6,-849.5 -205.8,-1120.3 -170.62,-1120.3 -169.72,-1119.4 -151.08,-1119.4 -150.18,-1120.3 TP41.1@211.9,-1120.3